# Altium PCB SteeringWheelInterfaceBoard.PcbDoc
Units mm, origin at the board's own origin, x right, y up, seen from the top; angles counter-clockwise.
Board outline 90 x 30 mm, 2 copper layers (Top Layer, Bottom Layer); 57 components, 57 nets, 223 pads, 100 vias.
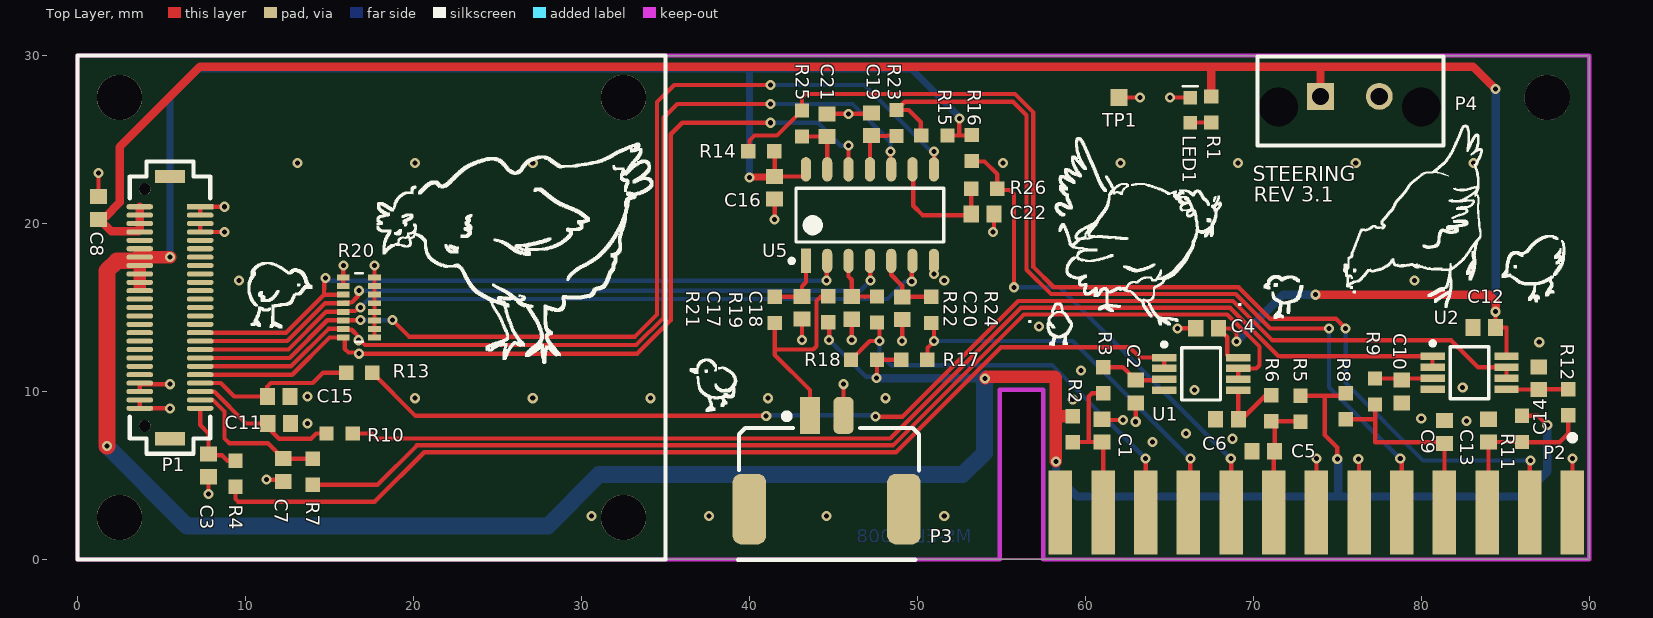
[diagram p0: Top Layer view]
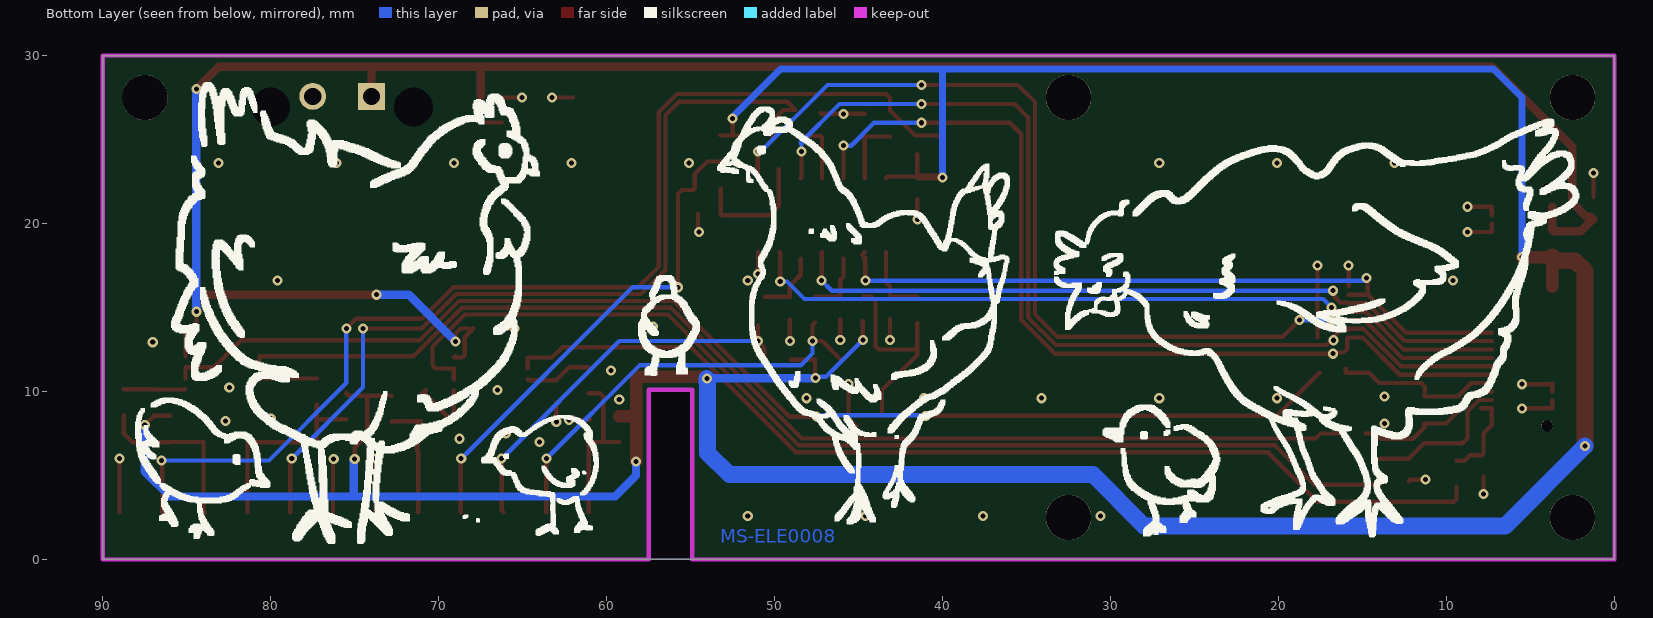
[diagram p1: Bottom Layer view, seen from below]
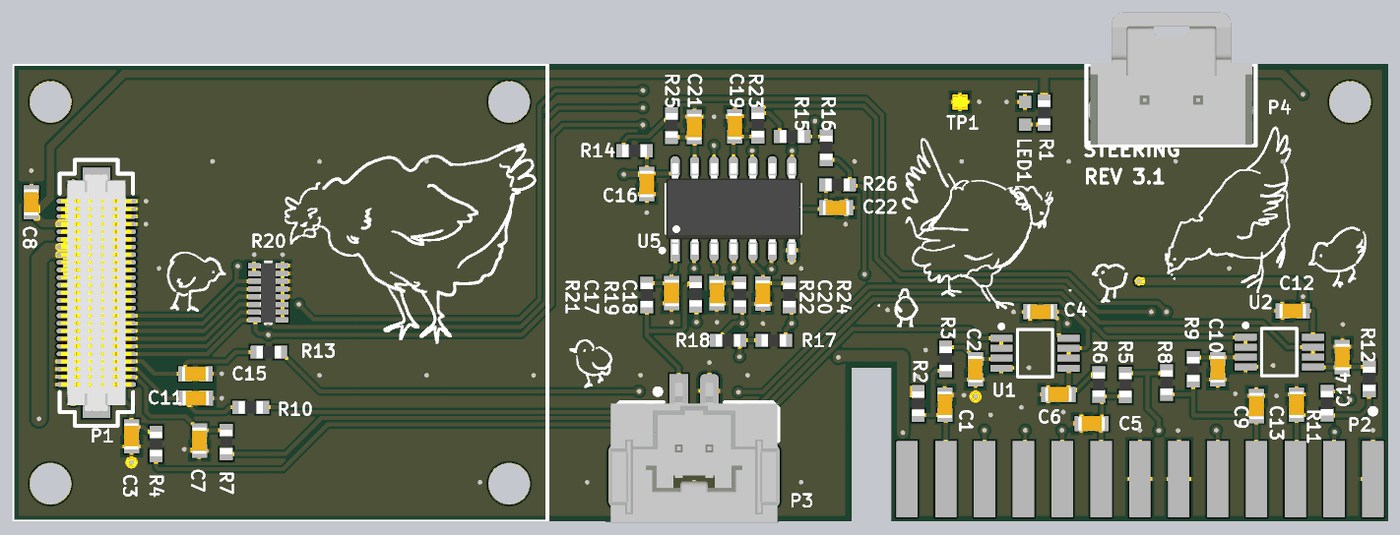
[diagram p2: 3D render of the assembled board from above, using the file's embedded part models]

## Layer stack, top to bottom
Top Solder: solder mask 0.0102, Solder Resist, Dk 3.5
Top Layer: signal copper 0.0356
Dielectric 1: dielectric 0.32, FR-4, Dk 4.8
Bottom Layer: signal copper 0.0356
Bottom Solder: solder mask 0.0102, Solder Resist, Dk 3.5

## Board outline
0,0 90,0 90,30 0,30
cut-out: 57.5,10.1 57.5,0 54.9,0 54.9,10.1

## Design rules (kind name [scope] priority, off if disabled: settings)
BoardOutlineClearance [All] p1: gap=0.406 ignorepadtopadclearanceinfootprint=FALSE
Clearance [All] p1: gap=0.152 ignorepadtopadclearanceinfootprint=FALSE except(0: Arc-Hole Track-Hole SMDPad-Hole THPad-Hole Via-Hole Fill-Hole Poly-Hole Region-Hole Text-Hole)
ComponentClearance ComponentClearance_ControllerBoard [InComponent('P1') vs Identifier = 'Controller_Board'] p1: gap=0 collisioncheckmode=3 verticalgap=0 showdistances=FALSE
ComponentClearance ComponentClearance_Standoffs [Identifier = 'Standoff' vs Identifier = 'Controller_Board'] p2: gap=0 collisioncheckmode=3 verticalgap=0 showdistances=FALSE
ComponentClearance [All] p3: gap=0.254 collisioncheckmode=3 verticalgap=0.254 showdistances=FALSE
HoleSize [All] p1: absolutevalues=TRUE maxlimit=6.3 minlimit=0.3 maxpercent=80.000 minpercent=20.000
MinimumAnnularRing [All] p1: minimumring=0.06
MinimumSolderMaskSliver [All] p1: minsoldermaskwidth=0
PolygonConnect [IsPad] p1: connectstyle=Relief reliefconductorwidth=0.254 reliefentries=4 polygonreliefangle="90 Angle" airgapwidth=0.254
PolygonConnect PolygonConnect_NoThermal [Not(IsPad)] p2: connectstyle=Direct reliefconductorwidth=0.254 reliefentries=4 polygonreliefangle="90 Angle" airgapwidth=0.254
RoutingVias [All] p1: holewidth=0.3 width=0.6 viastyle="Through Hole" minholewidth=0.3 minwidth=0.6 maxholewidth=0.711 maxwidth=1.27
SilkToSolderMaskClearance [IsPad] p1: minsilkscreentomaskgap=0.178 clearancetoexposedcopper=TRUE
SolderMaskExpansion [All] p1: expansion=0.102
Width [All] p1: maxlimit=2.54 minlimit=0.152 preferedwidth=0.254
26 further rules are at their usual default settings.

## Classes and differential pairs
component class "Steering Wheel Interface Digital Inputs": C16 C17 C18 C19 C20 C21 C22 R14 R15 R16 R17 R18 R19 R20 R21 R22 R23 R24 R25 R26 U5
component class "Steering Wheel Interface Analog Inputs": C1 C2 C3 C4 C5 C6 C7 C8 C9 C10 C11 C12 C13 C14 C15 LED1 R1 R2 R3 R4 R5 R6 R7 R8 R9 R10 R11 R12 R13 TP1 U1 U2
component class "Steering Wheel Carrier Board Mezzanine": P1 P2 P3 P4

## Components (designator, comment, footprint, x,y, rotation, side; value= is the part's Value field where it differs from the comment)
C1 "CAP CER 10nF 50V 5% X7R 0603" "CAP, 0603" 61,7.675 r90 top
C2 "CAP CER 0.1UF 50V 10% X7R 0603" "CAP, 0603" 63,10 r270 top
C3 "CAP CER 10nF 50V 5% X7R 0603" "CAP, 0603" 7.8,5.6 r270 top
C4 "CAP CER 0.1UF 50V 10% X7R 0603" "CAP, 0603" 67.25,13.762 r180 top
C5 "CAP CER 10nF 50V 5% X7R 0603" "CAP, 0603" 70.598,6.446 r180 top
C6 "CAP CER 0.1UF 50V 10% X7R 0603" "CAP, 0603" 68.434,8.35 r180 top
C7 "CAP CER 10nF 50V 5% X7R 0603" "CAP, 0603" 12.25,5.325 r270 top
C8 "CAP CER 4.7UF 25V 10% X5R 0603" "CAP, 0603" 1.25,20.925 r90 top
C9 "CAP CER 10nF 50V 5% X7R 0603" "CAP, 0603" 81.38,7.59 r90 top
C10 "CAP CER 0.1UF 50V 10% X7R 0603" "CAP, 0603" 78.84,10 r270 top
C11 "CAP CER 10nF 50V 5% X7R 0603" "CAP, 0603" 12,8.1 r0 top
C12 "CAP CER 0.1UF 50V 10% X7R 0603" "CAP, 0603" 83.75,13.815 r180 top
C13 "CAP CER 10nF 50V 5% X7R 0603" "CAP, 0603" 84,7.675 r90 top
C14 "CAP CER 0.1UF 50V 10% X7R 0603" "CAP, 0603" 87,10.791 r90 top
C15 "CAP CER 10nF 50V 5% X7R 0603" "CAP, 0603" 11.975,9.7 r0 top
C16 "CAP CER 0.1UF 50V 10% X7R 0603" "CAP, 0603" 41.5,22.125 r270 top
C17 "CAP CER 0.1UF 50V 10% X7R 0603" "CAP, 0603" 43.125,14.986 r270 top
C18 "CAP CER 0.1UF 50V 10% X7R 0603" "CAP, 0603" 46.093,14.979 r270 top
C19 "CAP CER 0.1UF 50V 10% X7R 0603" "CAP, 0603" 47.263,25.913 r90 top
C20 "CAP CER 0.1UF 50V 10% X7R 0603" "CAP, 0603" 49.093,14.959 r270 top
C21 "CAP CER 0.1UF 50V 10% X7R 0603" "CAP, 0603" 44.625,25.855 r90 top
C22 "CAP CER 0.1UF 50V 10% X7R 0603" "CAP, 0603" 53.885,20.57 r0 top
LED1 "LED GREEN CLEAR 2V 0603" LED_0603 66.247,26.05 r90 top
P1 "CONN 50POS Bergstak Plug 0.02\"" "CONN, Bergstak 50 Pos Plug" 5.5,15 r0 top locked
P2 "Footprint Only" "CONN 13POS CARD EDGE" 89,2.8 r180 top locked
P3 "Dura-Clik" "CONN, 2POS Dura-Click Vertical" 43.6,8.58 r0 top locked
P4 "CONN 2POS ULTRA-FIT 0.138\"" "CONN, 2POS ULTRA-FIT" 74,27.57 r0 top
R1 "RES 4.7K OHM 1% 1/10W 0603" "RES, 0603" 67.498,26.795 r270 top
R2 "RES SMD 1K OHM 0.1% 1/10W 0603" "RES, 0603" 59.25,7.75 r270 top
R3 "RES SMD 15K OHM 1% 1/10W 0603" "RES, 0603" 61.06,10.675 r270 top
R4 "RES 100 OHM 1% 1/10W 0603" "RES, 0603" 9.4,5.1 r270 top
R5 "RES SMD 1K OHM 0.1% 1/10W 0603" "RES, 0603" 72.806,8.969 r270 top
R6 "RES SMD 15K OHM 1% 1/10W 0603" "RES, 0603" 71.066,9 r270 top
R7 "RES 100 OHM 1% 1/10W 0603" "RES, 0603" 14,5.225 r270 top
R8 "RES SMD 1K OHM 0.1% 1/10W 0603" "RES, 0603" 75.5,9.118 r270 top
R9 "RES SMD 15K OHM 1% 1/10W 0603" "RES, 0603" 77.25,10 r270 top
R10 "RES 100 OHM 1% 1/10W 0603" "RES, 0603" 15.6,7.5 r0 top
R11 "RES SMD 1K OHM 0.1% 1/10W 0603" "RES, 0603" 86,7.775 r270 top
R12 "RES SMD 15K OHM 1% 1/10W 0603" "RES, 0603" 88.75,9.366 r270 top
R13 "RES 100 OHM 1% 1/10W 0603" "RES, 0603" 16.775,11.116 r0 top
R14 "RES 10K OHM 1% 1/10W 0603" "RES, 0603" 40.7,24.3 r180 top
R15 "RES 10K OHM 1% 1/10W 0603" "RES, 0603" 51.013,25.238 r180 top
R16 "RES 10K OHM 1% 1/10W 0603" "RES, 0603" 53.241,24.5 r270 top
R17 "RES 10K OHM 1% 1/10W 0603" "RES, 0603" 49.818,11.884 r0 top
R18 "RES 10K OHM 1% 1/10W 0603" "RES, 0603" 46.818,11.884 r180 top
R19 "RES 10K OHM 1% 1/10W 0603" "RES, 0603" 44.7,14.9 r90 top
R20 "RES ARRAY 10K OHM 5% 8RES" "RES ARRAY, 8 POS 1506" 16.75,15 r180 top value=Value
R21 "RES SMD 15K OHM 1% 1/10W 0603" "RES, 0603" 41.5,14.859 r270 top
R22 "RES SMD 15K OHM 1% 1/10W 0603" "RES, 0603" 47.593,14.879 r270 top
R23 "RES SMD 15K OHM 1% 1/10W 0603" "RES, 0603" 48.763,25.987 r90 top
R24 "RES SMD 15K OHM 1% 1/10W 0603" "RES, 0603" 50.826,14.859 r270 top
R25 "RES SMD 15K OHM 1% 1/10W 0603" "RES, 0603" 43.125,25.955 r90 top
R26 "RES SMD 15K OHM 1% 1/10W 0603" "RES, 0603" 53.985,22.07 r0 top
TP1 "Test Point" "Test Point" 62,27.5 r270 top
U1 "IC OP AMP DUAL GP RR 10MHZ 8-VSSOP" "IC OP AMP DUAL 8-VSSOP" 66.898,11.048 r0 top
U2 "IC OP AMP DUAL GP RR 10MHZ 8-VSSOP" "IC OP AMP DUAL 8-VSSOP" 82.875,11.116 r0 top
U5 "IC INVERTER SCHMITT 6CH 14TSSOP" "IC INVERTER SCHMITT 6CH 14TSSOP" 47.173,20.5 r90 top

## Footprints (in the part's own frame and the unit in brackets; to place one, negate y for a bottom-side part, rotate by r counter-clockwise, add the part's x,y. Pads: shape width x height; smd on the part's side, far side on the other; paste and mask are expansions set on the pad)
"CAP, 0603" [mm] "Chip Capacitor, 2-Leads, Body 1.60x0.81mm, IPC Medium Density"
  rect 0.9x1 smd mask+0.076: 1(-0.675,0) 2(0.675,0)
  body extent -0.87,-0.48 0.87,0.48, height 0.9
"CONN 13POS CARD EDGE" [mm]
  rect 1.4x5 smd: 1(0,0) 2(2.54,0) 3(5.08,0) 4(7.62,0) 5(10.16,0) 6(12.7,0) 7(15.24,0) 8(17.78,0) 9(20.32,0) 10(22.86,0) 11(25.4,0) 12(27.94,0) 13(30.48,0)
"CONN, 2POS Dura-Click Vertical" [mm] "WM7169CT-ND"
  rect 1.2x2.2 smd: 1(0,0)
  rrect50% 1.2x2.2 smd: 2(2,0)
  rrect50% 2x4.2 smd: 3(-3.6,-5.58) 3(5.6,-5.58)
  silkscreen extent -4.28,-8.6 6.5,0.05, body extent -4.45,-8.63 6.45,0.52, height 8
"CONN, 2POS ULTRA-FIT" [mm] "2 Positions Header, Shrouded Connector 0.138\" (3.50mm) Through Hole Gold"
  rect 1.6x1.6 hole 1.02: 1(0,0)
  round 1.6 hole 1.02: 2(3.5,0)
  round 1.6 hole 2.3: ""(-2.5,-0.63) ""(6,-0.63)
  silkscreen extent -3.74,-2.93 7.33,2.37, body extent -3.48,-2.87 7.12,5.79, height 13.85
"CONN, Bergstak 50 Pos Plug" [mm] "Bergstak 50 Position Plug"
  rect 1.6x0.3 smd: 1(1.8,6)
  oval 1.6x0.3 smd: 2(1.8,5.5) 3(1.8,5) 4(1.8,4.5) 5(1.8,4) 6(1.8,3.5) 7(1.8,3) 8(1.8,2.5) 9(1.8,2) 10(1.8,1.5) 11(1.8,1) 12(1.8,0.5) 13(1.8,0) 14(1.8,-0.5) 15(1.8,-1) 16(1.8,-1.5) 17(1.8,-2) 18(1.8,-2.5) 19(1.8,-3) 20(1.8,-3.5) 21(1.8,-4) 22(1.8,-4.5) 23(1.8,-5) 24(1.8,-5.5) 25(1.8,-6) 26(-1.8,-6) 27(-1.8,-5.5) 28(-1.8,-5) 29(-1.8,-4.5) 30(-1.8,-4) 31(-1.8,-3.5) 32(-1.8,-3) 33(-1.8,-2.5) 34(-1.8,-2) 35(-1.8,-1.5) 36(-1.8,-1) 37(-1.8,-0.5) 38(-1.8,0) 39(-1.8,0.5) 40(-1.8,1) 41(-1.8,1.5) 42(-1.8,2) 43(-1.8,2.5) 44(-1.8,3) 45(-1.8,3.5) 46(-1.8,4) 47(-1.8,4.5) 48(-1.8,5) 49(-1.8,5.5) 50(-1.8,6)
  round 0.7 hole 0.7: ""(-1.5,-7.05) ""(-1.5,7.05)
  rect 1.8x0.8 smd: ""(0,-7.8) ""(0,7.8)
  silkscreen extent -2.4,-8.7 2.4,8.7, body extent -2.3,-7.75 2.3,7.75, height 4.2
"IC INVERTER SCHMITT 6CH 14TSSOP" [mm]
  rect 1.45x0.6 smd: 1(-2.725,3.81)
  oval 1.45x0.6 smd: 2(-2.725,2.54) 3(-2.725,1.27) 4(-2.725,0) 5(-2.725,-1.27) 6(-2.725,-2.54) 7(-2.725,-3.81) 8(2.725,-3.81) 9(2.725,-2.54) 10(2.725,-1.27) 11(2.725,0) 12(2.725,1.27) 13(2.725,2.54) 14(2.725,3.81)
  silkscreen extent -2.85,-4.4 1.6,4.78, body extent -3,-4.4 3,4.4, height 1.75
"IC OP AMP DUAL 8-VSSOP" [mm] "VSSOP 8-Leads, Body 3.00x3.00mm, Pitch 0.65mm, IPC Medium Density"
  rect 1.45x0.45 smd: 1(-2.2,0.975) 2(-2.2,0.325) 3(-2.2,-0.325) 4(-2.2,-0.975) 5(2.2,-0.975) 6(2.2,-0.325) 7(2.2,0.325) 8(2.2,0.975)
  silkscreen extent -2.32,-1.55 1.15,1.87, body extent -1.55,-1.55 1.55,1.55, height 1.1
LED_0603 [mm]
  rect 0.8x0.8 smd: 1(-0.05,0.01) 2(1.45,0.01)
  silkscreen extent 2.13,-0.46 2.13,0.45, body extent -0.09,-0.39 1.51,0.41, height 0.8
"RES ARRAY, 8 POS 1506" [mil]
  rect 30x14 smd: 1(-36.5,70) 2(-36.5,50) 3(-36.5,30) 4(-36.5,10) 5(-36.5,-10) 6(-36.5,-30) 7(-36.5,-50) 8(-36.5,-70) 9(36.5,-70) 10(36.5,-50) 11(36.5,-30) 12(36.5,-10) 13(36.5,10) 14(36.5,30) 15(36.5,50) 16(36.5,70)
  silkscreen extent -9,-80 9,80, body extent -21,-77 21,77, height 18
"RES, 0603" [mm] "Chip Resistor, 2-Leads, Body 1.60x0.80mm, IPC Medium Density"
  rect 0.85x0.85 smd: 1(-0.775,0) 2(0.775,0)
  body extent -0.8,-0.4 0.8,0.4, height 0.55
"Test Point" [mm]
  rect 1x1 smd paste-2: TP(0,0)

## Part data
C1 C3 C5 C7 C9 C11 C13 C15: "10000pF ±5% 50V Ceramic Capacitor U2J 0603 (1608 Metric)", Capacitance=10000pF, Manufacturer 1=KEMET, Manufacturer Part Number 1=C0603C103J5JAC7867, Operating Temperature="-55°C ~ 125°C", Package / Case="0603 (1608 Metric)", Ratings=-, Supplier Part Number 1=399-13384-1-ND, Temperature Coefficient=U2J, Tolerance=±5%, Voltage=50V, ComponentLink1Description=http://www.kemet.com/docfinder?Partnumber=C0603C103J5JAC7867, ComponentLink1URL=http://www.kemet.com/docfinder?Partnumber=C0603C103J5JAC7867, Failure Rate=-, Height - Seated (Max)=-, Lead Spacing=-, Lead Style=-, Mounting Type="Surface Mount, MLCC", Packaging="Cut Tape (CT)", Part Status=Active, Size / Dimension="0.063\" L x 0.032\" W (1.60mm x 0.80mm)", Supplier 1=Digi-Key, Thickness (Max)="0.034\" (0.87mm)"
C2 C4 C6 C10 C12 C14 C16 C17 C18 C19 C20 C21 C22: "0.10µF ±10% 50V Ceramic Capacitor X7R 0603 (1608 Metric)", Capacitance=0.1µF, Manufacturer 1="AVX Corporation", Manufacturer Part Number 1=06035C104KAT2A, Operating Temperature="-55°C ~ 125°C", Package / Case="0603 (1608 Metric)", Ratings=-, Supplier Part Number 1=478-5052-1-ND, Temperature Coefficient=X7R, Tolerance=±10%, Voltage=50V, ComponentLink1Description=http://datasheets.avx.com/X7RDielectric.pdf, ComponentLink1URL=http://datasheets.avx.com/X7RDielectric.pdf, Height - Seated (Max)=-, Lead Spacing=-, Lead Style=-, Mounting Type="Surface Mount, MLCC", Packaging="Cut Tape (CT)", Part Status=Active, Size / Dimension="0.063\" L x 0.032\" W (1.60mm x 0.81mm)", Supplier 1=Digi-Key, Thickness (Max)="0.035\" (0.90mm)"
C8: "4.7µF ±10% 25V Ceramic Capacitor X5R 0603 (1608 Metric)", Capacitance=4.7µF, Manufacturer 1="Murata Electronics North America", Manufacturer Part Number 1=GRM188R61E475KE11D, Operating Temperature="-55°C ~ 85°C", Package / Case="0603 (1608 Metric)", Ratings=-, Supplier Part Number 1=490-7203-1-ND, Temperature Coefficient=X5R, Tolerance=±10%, Voltage=25V, ComponentLink1Description=http://www.murata.com/~/media/webrenewal/support/library/catalog/products/capacitor/mlcc/c02e.ashx, ComponentLink1URL=http://www.murata.com/~/media/webrenewal/support/library/catalog/products/capacitor/mlcc/c02e.ashx, Height - Seated (Max)=-, Lead Spacing=-, Lead Style=-, Mounting Type="Surface Mount, MLCC", Packaging="Cut Tape (CT)", Part Status=Active, Size / Dimension="0.063\" L x 0.031\" W (1.60mm x 0.80mm)", Supplier 1=Digi-Key, Thickness (Max)="0.031\" (0.80mm)"
LED1: "Green 572nm LED Indication - Discrete 2V 0603 (1608 Metric)", Color=Green, Current - Test=20mA, Lens Color=Colorless, Manufacturer="Wurth Electronics Inc.", Manufacturer Part Number=150060VS75000, Millicandela Rating=40mcd, Package / Case="0603 (1608 Metric)", Supplier Device Package=0603, Supplier Part Number 1=732-4980-1-ND, Voltage - Forward (Vf) (Typ)=2V, Category=Optoelectronics, ComponentLink1Description=http://katalog.we-online.de/led/datasheet/150060VS75000.pdf, ComponentLink1URL=http://katalog.we-online.de/led/datasheet/150060VS75000.pdf, Features=-, Height (Max)=0.80mm, Lens Style/Size="Rectangle with Flat Top, 1.10mm x 0.70mm", Lens Transparency=Clear, Mounting Type="Surface Mount", Packaging="Cut Tape (CT)", Part Status=Active, Pricing 1="1=0.21, 100=0.1617, 500=0.13964 (CAD)", RoHS="RoHS Compliant", Size / Dimension="1.60mm L x 0.80mm W", Stock 1=9408, Supplier 1=Digi-Key, Viewing Angle=140°, Wavelength - Dominant=570nm, Wavelength - Peak=572nm
P1: "50 Position Connector Plug, Outer Shroud Contacts Surface Mount Gold", Manufacturer 1="Amphenol FCI", Manufacturer Part Number 1=10132797-055100LF, Supplier Part Number 1=609-5226-1-ND, ComponentLink1Description=http://portal.fciconnect.com/Comergent//fci/drawing/10132797.pdf, ComponentLink1URL=http://portal.fciconnect.com/Comergent//fci/drawing/10132797.pdf, Connector Type="Plug, Outer Shroud Contacts", Contact Finish=Gold, Contact Finish Thickness="1µin (0.025µm)", Height Above Board="0.169\" (4.30mm)", Mated Stacking Heights=5mm, Mounting Type="Surface Mount", Number of Positions=50, Number of Rows=2, Packaging="Cut Tape (CT)", Part Status=Active, Pitch="0.020\" (0.50mm)", Series="BergStak Plug", Supplier 1=Digi-Key
P2: library part "CONN 13POS 0.1\" CARD EDGE"
P3: library part "CONN 2POS DURA-CLIK 0.079\" VERT", "2 Positions Header, Shrouded Connector 0.079\" (2.00mm) Surface Mount, Vertical Tin", Current Rating=-, Insulation Color=Natural, Manufacturer="Molex, LLC", Manufacturer Part Number=5600200220, Supplier Part Number 1=WM10862CT-ND, Applications="Automotive, Industrial", Category="Connectors, Interconnects", ComponentLink1Description=http://www.molex.com/pdm_docs/sd/5600200220_sd.pdf, ComponentLink1URL=http://www.molex.com/pdm_docs/sd/5600200220_sd.pdf, Connector Type=Header, Contact Finish - Mating=Tin, Contact Finish - Post=Tin, Contact Finish Thickness - Mating=-, Contact Finish Thickness - Post=-, Contact Length - Mating=-, Contact Length - Post=-, Contact Material="Copper Alloy", Contact Shape=Square, Contact Type="Male Pin", Fastening Type="Latch Lock", Features="Solder Retention", Ingress Protection=-, Insulation Height="0.315\" (8.00mm)", Insulation Material="Polyamide (PA), Nylon", Mated Stacking Heights=9.3mm, Material Flammability Rating=-, Mounting Type="Surface Mount", Number of Positions=2, Number of Positions Loaded=All, Number of Rows=1, Operating Temperature=-, Overall Contact Length=-, Packaging="Cut Tape (CT)", Part Status=Active, Pitch - Mating="0.079\" (2.00mm)", Pricing 1="1=1.16, 10=1.012, 25=0.952, 50=0.9122, 100=0.8727, 250=0.79336 (CAD)", RoHS="RoHS Compliant", Row Spacing - Mating=-, Shrouding="Shrouded - 4 Wall", Stock 1=11912, Style="Board to Cable/Wire", Supplier 1=Digi-Key, Termination=Solder, Voltage Rating=-
P4: "2 Positions Header, Shrouded Connector 0.138\" (3.50mm) Through Hole Gold", Current Rating=-, Insulation Color=Black, Manufacturer 1="Molex, LLC", Manufacturer Part Number 1=1722861302, Material Flammability Rating="UL94 V-0", Operating Temperature="-40°C ~ 120°C", Supplier Part Number 1=WM11673-ND, Voltage=400V, ComponentLink1Description=http://www.molex.com/pdm_docs/sd/1722861302_sd.pdf, ComponentLink1URL=http://www.molex.com/pdm_docs/sd/1722861302_sd.pdf, Connector Type=Header, Contact Finish - Mating=Gold, Contact Finish - Post=Tin, Contact Finish Thickness - Mating="30µin (0.76µm)", Contact Finish Thickness - Post="60µin (1.52µm)", Contact Length - Mating=-, Contact Length - Post="0.126\" (3.20mm)", Contact Material="Copper Alloy", Contact Shape=Square, Contact Type="Male Pin", Fastening Type="Latch Holder", Ingress Protection=-, Insulation Height="0.465\" (11.80mm)", Insulation Material="Liquid Crystal Polymer (LCP)", Mated Stacking Heights=26.99mm, Mounting Type="Through Hole", Number of Positions=2, Number of Positions Loaded=All, Number of Rows=1, Overall Contact Length=-, Packaging=Tray, Part Status=Active, Pitch - Mating="0.138\" (3.50mm)", Row Spacing - Mating=-, Series=UltraFit, Shrouding="Shrouded - 4 Wall", Style="Board to Board or Cable", Supplier 1=Digi-Key, Termination="Kinked Pin, Solder"
R1: "4.7k Ohm ±1% 0.1W, 1/10W Chip Resistor 0603 (1608 Metric) Moisture Resistant Thick Film", Manufacturer 1=Yageo, Manufacturer Part Number 1=RC0603FR-074K7L, Operating Temperature="-55°C ~ 155°C", Package / Case="0603 (1608 Metric)", Power (Watts)=1/10W, Resistance (Ohms)=4.7k, Supplier Device Package=0603, Supplier Part Number 1=311-4.70KHRCT-ND, Temperature Coefficient=±100ppm/°C, Tolerance=±1%, Category=Resistors, ComponentLink1Description=http://www.yageo.com/documents/recent/PYu-RC_Group_51_RoHS_L_7.pdf, ComponentLink1URL=http://www.yageo.com/documents/recent/PYu-RC_Group_51_RoHS_L_7.pdf, Composition="Thick Film", Description 1="RES SMD 4.7K OHM 1% 1/10W 0603", Failure Rate=-, Features="Moisture Resistant", Height - Seated (Max)="0.022\" (0.55mm)", Packaging="Cut Tape (CT)", Part Status=Active, Pricing 1="1=0.16, 10=0.022, 100=0.0089, 1000=0.00402, 2500=0.00349 (CAD)", RoHS="RoHS Compliant", Size / Dimension="0.063\" L x 0.031\" W (1.60mm x 0.80mm)", Stock 1=3487566, Supplier 1=Digi-Key
R2 R5 R8 R11: "1 kOhms ±0.1% 0.1W, 1/10W Chip Resistor 0603 (1608 Metric) Automotive AEC-Q200 Thin Film", Case/Package=0603, Case Code (Metric)=1608, Manufacturer=Panasonic, Manufacturer Part Number=ERA3AEB102V, Max Operating Temperature=155°C, Max Power Dissipation=100mW, Min Operating Temperature=-55°C, Package Quantity=5000, Power Rating=1/10W, Resistance=1k, Supplier Part Number 1=P1.0KDBCT-ND, Temperature Coefficient=25ppm/°C, Tolerance=0.1%, Voltage Rating=75V, Case Code (Imperial)=0603, ComponentLink1Description=Digikey, ComponentLink1URL=https://www.digikey.ca/product-detail/en/panasonic-electronic-components/ERA-3AEB102V/P1.0KDBCT-ND/1466052, ComponentLink2Description=http://www.farnell.com/datasheets/485442.pdf, ComponentLink2URL=http://www.farnell.com/datasheets/485442.pdf, ComponentLink3Description=http://industrial.panasonic.com/www-data/pdf/AOA0000/AOA0000CE26.pdf, ComponentLink3URL=http://industrial.panasonic.com/www-data/pdf/AOA0000/AOA0000CE26.pdf, ComponentLink4Description=http://www.farnell.com/datasheets/2052875.pdf, ComponentLink4URL=http://www.farnell.com/datasheets/2052875.pdf, ComponentLink5Description=http://www.farnell.com/datasheets/1776116.pdf, ComponentLink5URL=http://www.farnell.com/datasheets/1776116.pdf, ComponentLink6Description=http://uk.rs-online.com/webdocs/148c/0900766b8148c4ab.pdf, ComponentLink6URL=http://uk.rs-online.com/webdocs/148c/0900766b8148c4ab.pdf, ComponentLink7Description=http://www.farnell.com/datasheets/2059650.pdf, ComponentLink7URL=http://www.farnell.com/datasheets/2059650.pdf, ComponentLink8Description=http://www.produktinfo.conrad.com/datenblaetter/450000-474999/451250-da-01-en-WIDERSTAND_0603_ERA.pdf, ComponentLink8URL=http://www.produktinfo.conrad.com/datenblaetter/450000-474999/451250-da-01-en-WIDERSTAND_0603_ERA.pdf, ComponentLink9Description=http://uk.rs-online.com/webdocs/148c/0900766b8148c48a.pdf, ComponentLink9URL=http://uk.rs-online.com/webdocs/148c/0900766b8148c48a.pdf, ComponentLink10Description=https://industrial.panasonic.com/cdbs/www-data/pdf/RDM0000/AOA0000C307.pdf, ComponentLink10URL=https://industrial.panasonic.com/cdbs/www-data/pdf/RDM0000/AOA0000C307.pdf, ComponentLink11Description=http://www.alliedelec.com/m/d/b6b0537e86f421aa7f5975bb1d8f429a.pdf, ComponentLink11URL=http://www.alliedelec.com/m/d/b6b0537e86f421aa7f5975bb1d8f429a.pdf, ComponentLink12Description=http://www.produktinfo.conrad.com/datenblaetter/450000-474999/450752-da-01-en-WIDERSTAND_0603_ERA.pdf, ComponentLink12URL=http://www.produktinfo.conrad.com/datenblaetter/450000-474999/450752-da-01-en-WIDERSTAND_0603_ERA.pdf, Composition="Thin Film", Contact Plating=Tin, Depth=0.8mm, Height=0.45mm, Length=1.6mm, Military Standard=Not, Mount="Surface Mount", Number of Pins=2, Number of Terminations=2, Packaging="Tape and Reel", Pricing 1="1 = 0.35000, 10 = 0.30000, 100 = 0.11720, 1000 = 0.04906, 2500 = 0.04498 (USD)", Radiation Hardening=No, REACH SVHC="No SVHC", RoHS=Yes, Stock 1=1293788, Supplier 1=Digi-Key, Termination=SMD/SMT, Width=0.8mm
R3 R6 R9 R12 R21 R22 R23 R24 R25 R26: "15 kOhms ±1% 0.1W, 1/10W Chip Resistor 0603 (1608 Metric) Moisture Resistant Thick Film", Case/Package=0603, Case Code (Metric)=1608, Manufacturer=Yageo, Manufacturer Part Number=RC0603FR-0715KL, Max Operating Temperature=155°C, Max Power Dissipation=1/10W, Min Operating Temperature=-55°C, Package Quantity=1, Power Rating=100mW, Resistance=15k, Supplier Part Number 1=311-15.0KHRCT-ND, Temperature Coefficient=100ppm/°C, Tolerance=1%, Voltage Rating=50V, Case Code (Imperial)=0603, ComponentLink1Description=Digikey, ComponentLink1URL=https://www.digikey.ca/product-detail/en/yageo/RC0603FR-0715KL/311-15.0KHRCT-ND/729900, ComponentLink2Description=http://www.yageo.com/documents/recent/PYu-RC_Group_51_RoHS_L_10.pdf, ComponentLink2URL=http://www.yageo.com/documents/recent/PYu-RC_Group_51_RoHS_L_10.pdf, ComponentLink3Description=http://www.yageo.com/documents/recent/PYu-RC_Group_51_RoHS_L_9.pdf, ComponentLink3URL=http://www.yageo.com/documents/recent/PYu-RC_Group_51_RoHS_L_9.pdf, ComponentLink4Description=https://www.verical.com/server-webapp/html/getDatasheet?partID=327895, ComponentLink4URL=https://www.verical.com/server-webapp/html/getDatasheet?partID=327895, Composition="Thick Film", Depth=0.8mm, Features="Moisture Resistant", Height=0.022inch, Lead Free="Lead Free", Length=1.6mm, Military Standard=Not, Number of Pins=2, Number of Terminations=2, Packaging="Tape and Reel", Pricing 1="1 = 0.10000, 10 = 0.02400, 100 = 0.00970, 1000 = 0.00437, 2500 = 0.00379 (USD)", REACH SVHC=Unknown, RoHS=Yes, Stock 1=8611420, Supplier 1=Digi-Key, Termination=SMD/SMT, Voltage Rating (DC)=50V, Width=0.031inch
R4 R7 R10 R13: "100 Ohm ±1% 0.1W, 1/10W Chip Resistor 0603 (1608 Metric) Moisture Resistant Thick Film", Manufacturer 1=Yageo, Manufacturer Part Number 1=RC0603FR-07100RL, Operating Temperature="-55°C ~ 155°C", Package / Case="0603 (1608 Metric)", Power=1/10W, Resistance=100, Supplier Device Package=0603, Supplier Part Number 1=311-100HRCT-ND, Temperature Coefficient=±100ppm/°C, Tolerance=±1%, ComponentLink1Description=http://www.yageo.com/documents/recent/PYu-RC_Group_51_RoHS_L_7.pdf, ComponentLink1URL=http://www.yageo.com/documents/recent/PYu-RC_Group_51_RoHS_L_7.pdf, Composition="Thick Film", Failure Rate=-, Height - Seated (Max)="0.022\" (0.55mm)", Packaging="Cut Tape (CT)", Part Status=Active, Size / Dimension="0.063\" L x 0.031\" W (1.60mm x 0.80mm)", Supplier 1=Digi-Key
R14 R15 R16 R17 R18 R19: "RES SMD 10K OHM 1% 1/10W 0603", Manufacturer 1=Yageo, Manufacturer Part Number 1=RC0603FR-0710KL, Operating Temperature="-55°C ~ 155°C", Package / Case="0603 (1608 Metric)", Power=1/10W, Resistance=10k, Supplier Device Package=0603, Supplier Part Number 1=311-10.0KHRCT-ND, Temperature Coefficient=±100ppm/°C, Tolerance=±1%, ComponentLink1Description=http://www.yageo.com/documents/recent/PYu-RC_Group_51_RoHS_L_7.pdf, ComponentLink1URL=http://www.yageo.com/documents/recent/PYu-RC_Group_51_RoHS_L_7.pdf, Composition="Thick Film", Failure Rate=-, Height - Seated (Max)="0.022\" (0.55mm)", Packaging="Cut Tape (CT)", Part Status=Active, Size / Dimension="0.063\" L x 0.031\" W (1.60mm x 0.80mm)", Supplier 1=Digi-Key
R20: library part "RES ARRAY 10K OHM 5% 8RES EXB-2HV103JV", "RES ARRAY SMD 10K 5% 62.5mW 1506", Manufacturer="Panasonic Electronic Components", Manufacturer_Part_Number=EXB-2HV103JV, Operating Temperature="-55°C ~ 125°C", Package / Case="1506, Convex, Long Side Terminals", Power Per Element=62.5mW, Resistance (Ohms)=10k, Supplier Device Package=1506, Supplier Part Number 1=Y1103CT-ND, Temperature Coefficient=±200ppm/°C, Tolerance=±5%, Applications="Automotive AEC-Q200", C="Copyright (C) 2015 Accelerated Designs. All rights reserved", Category=Resistors, Circuit Type=Isolated, ComponentLink1Description=https://industrial.panasonic.com/cdbs/www-data/pdf/AOC0000/AOC0000C14.pdf, ComponentLink1URL=https://industrial.panasonic.com/cdbs/www-data/pdf/AOC0000/AOC0000C14.pdf, Copyright="Copyright (C) 2015 Accelerated Designs. All rights reserved", Height - Seated (Max)="0.022\" (0.55mm)", Manufacturer Part Number=EXB-2HV103JV, Mounting Type="Surface Mount", Packaging="Cut Tape (CT)", Part Status=Active, Pricing 1="1=0.43, 10=0.373, 25=0.2712, 50=0.1964, 100=0.1456, 250=0.11176, 500=0.08806, 1000=0.06096 (CAD)", RoHS="RoHS Compliant", Size / Dimension="0.150\" L x 0.063\" W (3.80mm x 1.60mm)", Stock 1=152779, Supplier 1=Digi-Key, Vendor=Panasonic
U1 U2: "General Purpose Amplifier 2 Circuit Rail-to-Rail 8-VSSOP", Case/Package=VSSOP, Input Bias Current=5pA, Input Offset Voltage (Vos)=250uV, Manufacturer="Texas Instruments", Manufacturer Part Number=OPA2197IDGKR, Max Operating Temperature=125°C, Min Operating Temperature=-40°C, Operating Supply Current=1mA, Output Current per Channel=65mA, Supplier Part Number 1=296-47349-1-ND, ComponentLink1Description=http://www.ti.com/lit/ds/symlink/opa2197.pdf, ComponentLink1URL=http://www.ti.com/lit/ds/symlink/opa2197.pdf, Gain Bandwidth Product=10MHz, Lead Free="Lead Free", Mount="Surface Mount", Number of Channels=2, Number of Circuits=2, Packaging="Tape and Reel", Pricing 1="1=2.41, 10=2.162, 100=1.7376, 500=1.4276, 1000=1.1829 (USD)", Slew Rate=20V/µs, Stock 1=2171, Supplier 1=Digi-Key
U5: "Inverter IC 6 Channel Schmitt Trigger 14-TSSOP", Case/Package=TSSOP, High Level Output Current=5.2mA, Manufacturer=STMicroelectronics, Manufacturer Part Number=M74HC14YTTR, Max Operating Temperature=125°C, Max Supply Voltage=6V, Min Operating Temperature=-40°C, Min Supply Voltage=2V, Package Quantity=2500, Quiescent Current=1uA, Supplier Part Number 1=497-14387-1-ND, ComponentLink1Description=Digikey, ComponentLink1URL=https://www.digikey.ca/product-detail/en/stmicroelectronics/M74HC14YTTR/497-14387-1-ND/4725844, ComponentLink2Description=http://www.st.com/content/ccc/resource/technical/document/datasheet/19/a3/52/42/dd/ab/4b/46/CD00000263.pdf/files/CD00000263.pdf/jcr:content/translations/en.CD00000263.pdf, ComponentLink2URL=http://www.st.com/content/ccc/resource/technical/document/datasheet/19/a3/52/42/dd/ab/4b/46/CD00000263.pdf/files/CD00000263.pdf/jcr:content/translations/en.CD00000263.pdf, ComponentLink3Description=http://www.st.com/st-web-ui/static/active/en/resource/technical/document/datasheet/CD00000263.pdf, ComponentLink3URL=http://www.st.com/st-web-ui/static/active/en/resource/technical/document/datasheet/CD00000263.pdf, Lead Free="Lead Free", Logic Function=Inverter, Low Level Output Current=5.2mA, Mount="Surface Mount", Number of Circuits=6, Number of Inputs=6, Number of Pins=14, Packaging="Tape and Reel", Pricing 1="1 = 0.44000, 10 = 0.37500, 100 = 0.27970, 500 = 0.21980, 1000 = 0.16985 (USD)", Propagation Delay=21ns, RoHS=Yes, Stock 1=20035, Supplier 1=Digi-Key, Turn-On Delay Time=25ns, Weight=0.004949oz

## Free pads (board coordinates)
  round 2.7 hole 2.7: ""(2.5,2.5) ""(2.5,27.5) ""(32.5,2.5) ""(32.5,27.5) ""(87.5,27.5)

## Via types
v1: diameter 0.6, hole 0.3, Top Layer to Bottom Layer, tented both sides, 97 vias
v2: diameter 0.6, hole 0.3, Top Layer to Bottom Layer, 3 vias

## Nets (pads, with @x,y where several pads share a name; then routed paths per layer and width w, separated by ;. In a path a pad name is that pad's centre, name@x,y a point inside that pad or via, vN(x,y) a via of type N, cw(c..) or ccw(c..) an arc to the next point about the centre after c; other vN are vias at no path point)
3V3: C16.1 P1.40 P1.41 P1.42 P1.43 P1.44 P1.45 R2.1 R5.1 R8.1 R11.1 R14.1 R15.1 R16.1 R17.1 R18.1 R19.1 U5.14 | length 217.7
  Top Layer w0.254: R14.1@41.5,24.125 C16.1 43.272,22.8 43.363,22.71 U5.14@43.363,22.7 ; v1(44.75,13.075) R19.1@44.75,14.2 ; v1(47.566,10.816) 47.566,11.051 47.593,11.078 R18.1 R17.1 ; R15.1 52.428,25.238 ; v1(52.5,26.25) 52.497,26.247 52.497,25.238 53.203,25.238 R16.1 ; R5.1 74.25,9.744 ; v1(75,5.979) 75,6.665 74.25,7.415 74.25,9.744 ; R8.1 75.351,9.744 74.25,9.744 ; R11.1 86.95,8.55 v1(87.5,8)
  Top Layer w0.4: v1(40,22.75) 40.025,22.775 41.475,22.775 C16.1
  Top Layer w0.75: 3.7,16.25 P1.41 P1.42 P1.43 P1.44 v1(5.5,18) ; v1(54.038,10.778) 54.141,10.881 58.185,10.881 58.25,10.816 58.25,8.735 ; v1(58.25,5.839) 58.25,8.735 ; R2.1 58.46,8.525 58.25,8.735
  Top Layer w1: v1(1.75,6.75) 1.75,17.194 2.337,17.781 3.481,17.781 P1.44
  Bottom Layer w0.254: v1@44.75,12.986 44.839,12.986 46.942,10.882 47.5,10.882 v1(47.566,10.816) v1@47.604,10.778
  Bottom Layer w0.4: v1(5.5,18) 5.5,27.5 7.202,29.202 40,29.202 ; v1(40,22.75) 40,29.202 ; v1@52.5,26.344 49.641,29.202 40,29.202
  Bottom Layer w0.5: v1@47.604,10.778 v1(54.038,10.778) ; v1(58.25,5.839) 58.25,5 59.5,3.75 75.066,3.75 ; v1(75,5.979) 75.066,5.913 75.066,3.75 ; v1(87.5,8) 87.5,5.25 86,3.75 75.066,3.75
  Bottom Layer w1: v1(1.75,6.75) 6.5,2 28,2 31.05,5.05 52.7,5.05 53.994,6.344 53.994,10.475 54.038,10.52 v1(54.038,10.778)
+12V: C4.1 C8.1 C12.1 P1.47 P1.48 P1.49 P1.50 P4.1 R1.1 U1.8 U2.8 | length 135.3
  Top Layer w0.254: C4.1 C4.1@68.05,13.637 ; U1.8@69,12.12 U1.8 68.598,12.023 68.453,12.167 68.453,13.234 C4.1@68.07,13.617 ; v1(69,12.986) 69,13.457 68.707,13.75 68.203,13.75 C4.1@68.07,13.617 ; v1(84.425,14.75) C12.1 85.075,13.815 U2.8 ; C4.1@68.05,13.637 68.05,13.597 C4.1@68.07,13.617 ; C4.1@68.05,13.637 C4.1@68.07,13.617
  Top Layer w0.5: P1.50 P1.49 3.701,20.151 3.701,19.651 3.648,19.552 1.998,19.552 1.3,20.25 C8.1 1.4,20.4 1.65,20.4 2.5,21.25 2.5,24.55 7.294,29.344 67.5,29.344 ; R1.1 67.498,29.341 67.5,29.344 ; v2(73.7,15.762) 84.038,15.762 84.425,15.375 v1(84.425,14.75) ; P4.1 74,29.344 ; v1(84.425,28) 83.081,29.344 74,29.344 ; 67.5,29.344 74,29.344
  Bottom Layer w0.5: v1(69,12.986) 71.776,15.762 v2(73.7,15.762) ; v1(84.425,14.75) v1(84.425,28)
CC_CANCEL/RESUME: C5.1 P2.8 R5.2 R6.2 | length 7.3
  Top Layer w0.254: P2.8@71.25,2.83 P2.8 71.22,6.393 C5.1 71.273,8.018 R6.2 72.775,8.225 R5.2
CC_DISTANCE: C13.1 P2.3 R11.2 R12.2 | length 10.3
  Top Layer w0.254: P2.3 84,2.88 C13.1 R11.2 86.025,6.975 88.225,6.975 88.75,7.5 R12.2
CC_ON/O\F\F\: P2.5 R15.2 R23.2 | length 52.2
  Top Layer w0.254: R15.2 50.2,25.275 50.2,26.05 49.488,26.762 R23.2 49.25,27.25 55.7,27.25 56.5,26.45 56.5,17.25 57.951,15.799 68.958,15.799 71.006,13.75 v1(74.5,13.75) ; v1(78.75,6) 78.75,5.979 78.84,5.889 P2.5
  Bottom Layer w0.254: v1(74.5,13.75) 74.5,10.25 v1(78.75,6)
CC_SET: P2.2 R14.2 R25.2 | length 68.2
  Top Layer w0.254: R14.2 40,24.375 40,24.937 40.3,25.238 41.633,25.238 R25.2 43.125,27.469 43.363,27.707 55.818,27.707 56.906,26.618 56.906,17.418 58.12,16.205 69.126,16.205 71.002,14.329 74.921,14.329 v1(75.5,13.75) ; P2.2 86.46,5.849 v1(86.5,5.889)
  Bottom Layer w0.254: v1(75.5,13.75) 75.5,10.5 80.111,5.889 v1(86.5,5.889)
CC_SPEED: C9.1 P2.4 R8.2 R9.2 | length 12.2
  Top Layer w0.254: R8.2 77.254,8.343 ; R9.2@77.254,9.225 77.254,8.343 ; P2.4 C9.1 ; C9.1@81.38,6.975 77.254,6.975 77.254,8.343
FILTERED_CC_ON/O\F\F\: C19.1 R23.1 U5.11 | length 4.1
  Top Layer w0.254: U5.11@47.173,22.7 47.173,25.148 C19.1 47.288,25.212 48.176,25.212 48.203,25.239 48.736,25.239 R23.1 R23.1@48.788,25.238
FILTERED_CC_SET: C21.1 R25.1 U5.13 | length 4
  Top Layer w0.254: R25.1 C21.1 44.633,25.172 U5.13@44.633,22.7
FILTERED_HIGH_BEAM_BACK: C18.1 R22.1 U5.3 | length 3.9
  Top Layer w0.254: U5.3@45.903,17.9 45.903,16.847 46.093,16.657 C18.1 46.843,15.654 ; 46.872,15.625 46.843,15.654 ; R22.1 46.843,15.654
FILTERED_HIGH_BEAM_FWD: C20.1 R24.1 U5.5 | length 4
  Top Layer w0.254: U5.5@48.443,17.9 48.443,16.95 49.093,16.3 C20.1 49.665,15.634 50,15.634 R24.1@50.593,15.634
FILTERED_HORN: C17.1 R21.1 U5.1 | length 4.4
  Top Layer w0.254: R21.1 42.975,15.634 42.995,15.654 C17.1@43.002,15.661 ; C17.1 C17.1@43.002,15.661 ; U5.1@43.363,18.3 43.363,16.508 43.125,16.27 43.125,15.784 C17.1@43.002,15.661
FILTERED_LANE_ASSIST: C22.1 R26.1 U5.9 | length 7.4
  Top Layer w0.254: U5.9@49.75,23.225 49.75,21.058 50.308,20.5 53.139,20.5 C22.1 R26.1
GND: C1.2 C2.2 C3.2 C4.2 C5.2 C6.2 C7.2 C8.2 C9.2 C10.2 C11.2 C12.2 C13.2 C14.2 C15.2 C16.2 C17.2 C18.2 C19.2 C20.2 C21.2 C22.2 LED1.2 P1.1 P1.2 P1.3 P1.4 P1.26 P1.27 P1.28 P1.29 P2.1 P2.6 P2.7 P3.2 P4.2 R20.1 R20.2 R20.3 R20.4 R20.5 R20.6 R20.7 R20.8 R20.9 R20.10 TP1.TP U1.4 U2.4 U5.7 | length 45.7
  Top Layer w0.254: C8.2 v1(1.25,23) ; P1.27 P1.26 v1(5.5,9) ; P1.28 P1.29 3.766,10.434 v1(5.5,10.434) ; P1.3 P1.4 v1(8.75,19.5) ; P1.2 P1.1 v1(8.75,21) ; v2(7.8,3.9) C3.2 ; v1(11.25,4.75) 12.15,4.75 C7.2 ; R20.10 R20.9 v1(15.823,17.5) ; R20.1 R20.2 R20.3 R20.4 R20.5 R20.6 R20.7 R20.8 v1(17.677,17.5) ; v1(41.5,20.25) C16.2 ; v1(43.125,13.075) C17.2 ; C21.2 v1(45.903,26.53) 47.205,26.53 C19.2 ; P3.2@45.14,7.95 45.6,8.41 P3.2 ; P3.2@45.6,8.75 v1(45.6,10.434) ; v1(46.093,13.075) C18.2 ; v1(49.093,13) C20.2 ; v1(50.983,17) U5.7@50.983,18.3 ; v1(54.5,19.5) 54.56,19.56 C22.2 ; C1.2 61.05,8.3 v1(62.25,8.3) ; TP1.TP v1(63.25,27.5) ; v2(63,8.2) C2.2 ; v1(65.037,27.5) LED1.2 ; v1@65.502,13.762 C4.2 ; v1@73.75,5.849 73.75,5.99 v1(73.76,6) ; P2.7 v1@73.76,5.839 ; v1(76.25,5.979) 76.3,5.929 P2.6 ; v1@82.68,8.265 v1(82.695,8.25) ; C13.2@83.9,8.25 C13.2 ; P2.1 v1(89,6)
  other v1: 30.6,2.6 37.6,2.6 44.6,2.6 51.6,2.6 64,7 68.75,7.188 66,7.5 13.7,8.1 80,8.392 59.25,9.513 20.1,9.6 27.1,9.6 34.1,9.6 41.1,9.6 48.1,9.6 13.7,9.7 66.5,10.1 82.469,10.25 59.75,11.25 87.025,12.934 65.49,13.75 57.25,13.881 9.6,16.6 51.6,16.6 79.6,16.6 13.1,23.6 20.1,23.6 27.1,23.6 55.1,23.6 62.1,23.6 69.1,23.6 76.1,23.6 83.1,23.6
HIGH_BEAM_BACK: P2.11 R18.2 R22.2 | length 25.7
  Top Layer w0.254: R18.2 47.167,13.008 v1(47.742,13.008) 47.742,13.955 R22.2 ; v1(63.593,6) 63.593,2.807 P2.11
  Bottom Layer w0.254: v1(47.742,13.008) 47.742,12.258 48.442,11.558 58.035,11.558 v1(63.593,6)
HIGH_BEAM_FWD: P2.10 R17.2 R24.2 | length 23.6
  Top Layer w0.254: R17.2 50.6,11.891 50.6,12.6 50.983,12.983 v1(50.983,13) R24.2@50.983,13.927 ; P2.10 66.25,2.91 v1(66.25,6)
  Bottom Layer w0.254: v1(50.983,13) 59.25,13 v1(66.25,6)
HORN: P3.1 R19.2 R21.2 | length 12.5
  Top Layer w0.254: R21.2 41.5,12.5 ; P3.1 43.6,10.085 41.5,12.185 41.5,12.5 ; R19.2 44.659,15.634 44.234,15.634 44,15.4 44,14.67 43.996,14.666 43.996,12.696 43.8,12.5 43.37,12.5 43.365,12.495 42.505,12.495 42.5,12.5 41.5,12.5
LANE_ASSIST: P2.9 R16.2 R26.2 | length 29.7
  Top Layer w0.254: R16.2 53.266,23.7 54,23.7 54.76,22.94 R26.2 54.83,22 55.5,22 55.75,21.75 v1(55.75,16.205) ; v1(68.659,6) 68.68,5.979 P2.9
  Bottom Layer w0.254: v1(55.75,16.205) 58.454,16.205 v1(68.659,6)
NetC2_1: C2.1 R3.1 U1.3 | length 4
  Top Layer w0.254: R3.1 62.225,11.45 C2.1 64.65,10.675 U1.3
NetC6_1: C6.1 R6.1 U1.5 | length 4.7
  Top Layer w0.254: U1.5 69.098,8.361 C6.1 69.316,8.35 70.768,9.802 70.795,9.775 R6.1 R6.1@70.768,10.073
NetC10_1: C10.1 R9.1 U2.3 | length 3.4
  Top Layer w0.254: R9.1@77.254,10.775 79,10.775 80.659,10.775 U2.3
NetC14_1: C14.1 R12.1 U2.5 | length 3.7
  Top Layer w0.254: U2.5 85.1,10.116 C14.1 87.025,10.141 R12.1
NetLED1_1: LED1.1 R1.2 | length 1.3
  Top Layer w0.254: LED1.1@66.248,26.02 R1.2
NetR4_2: R4.2 U1.1 U1.2 | length 60.8
  Top Layer w0.254: R4.2 9.4,3.6 9.556,3.444 17.694,3.444 20.638,6.388 48.722,6.388 54.973,12.639 62.633,12.639 63.25,12.023 U1.1 U1.2
NetR7_2: R7.2 U1.6 U1.7 | length 64.4
  Top Layer w0.254: R7.2 17.856,4.45 20.201,6.794 48.553,6.794 56.339,14.579 68.453,14.579 70.362,12.67 70.362,11.562 70.173,11.373 U1.7 U1.6
NetR10_2: R10.2 U2.1 U2.2 | length 69.5
  Top Layer w0.254: R10.2 17.5,7.5 17.799,7.201 48.385,7.201 56.17,14.986 68.621,14.986 71.516,12.091 U2.1 U2.2
NetR13_2: R13.2 U2.6 U2.7 | length 73.8
  Top Layer w0.254: R13.2 20.116,8.55 v1(41,8.55) ; v1(47.5,8.5) 49.11,8.5 56.002,15.392 68.789,15.392 71.136,13.046 81.782,13.046 83.386,11.441 U2.7 U2.6
  Bottom Layer w0.254: v1(41,8.55) 41.029,8.579 47.327,8.579 47.406,8.5 v1(47.5,8.5)
PA0_AN0_CC_DISTANCE: C15.1 P1.22 R13.1 | length 10.2
  Top Layer w0.254: P1.22 8.525,10.5 9.325,9.7 C15.1 11.3,10.3 11.5,10.5 14,10.5 14.616,11.116 R13.1 R13.1@16,11.375
PA1_AN1_CC_SPEED: C11.1 P1.23 R10.1 | length 9
  Top Layer w0.254: P1.23 7.309,9.991 8.141,9.991 10.032,8.1 C11.1 11.325,7.851 11.988,7.188 13.9,7.188 14.212,7.5 R10.1
PA2_AN2_CC_CANCEL/RESUME: C7.1 P1.24 R7.1 | length 9.1
  Top Layer w0.254: P1.24 7.309,9.491 8.066,9.491 8.75,8.807 8.75,7.2 9.035,6.915 11.335,6.915 C7.1 R7.1
PA3_AN3_TURN_SIGNAL_STALK: C3.1 P1.25 R4.1 | length 5.3
  Top Layer w0.254: P1.25@7.938,9 P1.25 7.3,8 7.8,7.5 C3.1 7.875,6.2 8.6,6.2 8.925,5.875 R4.1
PA4_CC_SET: P1.21 R20.16 U5.12 | length 55
  Top Layer w0.254: P1.21 12.778,11 15,13.222 R20.16 15.849,13.222 15.9,13.171 15.9,12.541 16.125,12.316 16.684,12.316 v1(16.75,12.25) 33.315,12.25 35.313,14.247 35.313,25.313 36,26 v1(41.25,26) ; U5.12@45.903,22.7 v1(45.903,24.636)
  Bottom Layer w0.254: v1(41.25,26) 44.078,26 45.442,24.636 v1(45.903,24.636)
PA5_CC_ON/O\F\F\: P1.20 R20.15 U5.10 | length 58.6
  Top Layer w0.254: P1.20 12.703,11.5 14.933,13.73 R20.15 15.874,13.679 16.32,13.679 16.732,13.266 v1(16.732,13.052) 16.826,13.052 17.113,12.765 33.256,12.765 34.906,14.416 34.906,26.323 35.703,27.12 v1(41.25,27.12) ; v1(48.4,24.3) 48.4,22.743 U5.10@48.443,22.7
  Bottom Layer w0.254: v1(41.25,27.12) 46.132,27.12 48.443,24.809 48.4,24.766 v1(48.4,24.3)
PA6_LANE_ASSIST: P1.19 R20.14 U5.8 | length 61.9
  Top Layer w0.254: P1.19 12.629,12 14.867,14.238 R20.14 15.829,14.244 16.838,14.244 v1(16.844,14.25) ; v1(18.75,14.25) 19.734,13.266 33.182,13.266 34.5,14.584 34.5,27.23 35.52,28.25 v1(41.25,28.25) ; U5.8@50.983,22.7 51,22.717 v1(51,24.3)
  Bottom Layer w0.254: v1(16.844,14.25) v1(18.75,14.25) ; v1(41.25,28.25) 46.858,28.25 50.808,24.3 v1(51,24.3)
PA7_HIGH_BEAM_FWD: P1.18 R20.13 U5.6 | length 45.8
  Top Layer w0.254: P1.18 12.554,12.5 14.8,14.746 R20.13 15.874,14.797 16.537,14.797 16.75,15.009 v1(16.844,15.009) ; v1(49.664,16.548) 49.664,18.251 U5.6@49.713,18.3
  Bottom Layer w0.254: v1(16.844,15.009) 17.338,15.504 48.217,15.504 49.261,16.548 v1(49.664,16.548)
PA8: P1.7
PA9: P1.6
PA10: P1.5
PA15/LED_RED: P1.39
PB0_HIGH_BEAM_BACK: P1.17 R20.12 U5.4 | length 43.3
  Top Layer w0.254: P1.17 12.479,13 14.733,15.254 R20.12 15.874,15.305 16.32,15.305 16.684,15.669 16.684,15.934 v1(16.75,16) ; U5.4@47.173,18.3 47.231,18.242 47.173,18.184 47.2,18.157 v1(47.2,16.6)
  Bottom Layer w0.254: v1(16.75,16) 46.6,16 v1(47.2,16.6)
PB1_HORN: P1.16 R20.11 U5.2 | length 42.3
  Top Layer w0.254: P1.16 12.404,13.5 14.666,15.762 ; v1(14.75,16.75) 14.684,16.684 14.684,16.082 14.666,16.065 14.666,15.762 ; R20.11 14.666,15.762 ; v1(44.6,16.6) 44.6,17.8 44.633,17.834 44.6,17.867 44.633,17.9 44.6,17.933 44.8,18.133 U5.2@44.633,18.3
  Bottom Layer w0.254: v1(14.75,16.75) 14.9,16.6 v1(44.6,16.6)
PB2: P1.15
PB3/LED_GREEN: P1.38
PB4/LED_BLUE: P1.37
PB5/LED_BLUE: P1.36
PB6/USART1_TX: P1.34
PB7/USART1_RX: P1.33
PB8/I2C1_SCL: P1.32
PB9/I2C1_SDA: P1.31
PB10/USART3_TX/I2C2_SCL: P1.14
PB11/USART3_RX/I2C2_SDA: P1.13
PB12/SPI2_NSS: P1.11
PB13/SPI2_SCK: P1.10
PB14/SPI2_MISO: P1.9
PB15/SPI2_MOSI: P1.8
PC13: P1.30
TURN_SIGNAL_STALK: C1.1 P2.12 R2.2 R3.2 | length 9.7
  Top Layer w0.254: R2.2 59.275,7 60.138,7 ; C1.1@60.95,7.05 C1.1 ; P2.12 61.06,6.94 C1.1 ; R3.2 60.4,9.9 60.2,9.7 60.2,7.062 60.138,7 ; 60.138,7 C1.1
pads on no net: P1. P1.12 P1.35 P1.46 P2.13 P3.3 P4.

## Polygon pours and split planes (outlines as drawn)
GND on Bottom Layer "NONET_L02_P002" (solid, shelved, pour order 2): 0,30 0,0 90,0 90,30
GND on Top Layer "NONET_L01_P000" (solid, shelved, pour order 0): 0,0 0,30 90,30 90,0

## Keep-outs
Keep-Out Layer:
  lines w0.254: 54.8,0 0,0 0,30 90,30 90,8.5 90,0 57.5,0 57.5,10.1 54.9,10.1 54.9,0

## Other copper
Top Layer:
  pour cut-out: 54.5,-0.25 54.5,10.773 57.977,10.773 58,10.75 57.977,10.727 57.977,-0.25
Bottom Layer:
  pour cut-out: 54.625,10.375 54.625,0.125 54.25,-0.25 58,-0.25 58,10.405
  text "MS-ELE0008" at 53.25,1 h0.8

## Silkscreen, mask and mechanical layers (free items; w line width, h text height)
Top Overlay:
  drawing of 40 lines, arcs and shapes, not listed
  text "STEERING" at 69.973,22.525 h0.9
  text "REV 3.1" at 70.024,21.289 h0.9
Bottom Overlay:
  drawing of 38 lines, arcs and shapes, not listed